# Altium PCB stereoscopicPi.PcbDoc
Units mm, origin at the board's own origin, x right, y up, seen from the top; angles counter-clockwise.
Board outline 100 x 55 mm, 2 copper layers (Top Layer, Bottom Layer); 41 components, 83 nets, 384 pads, 155 vias.
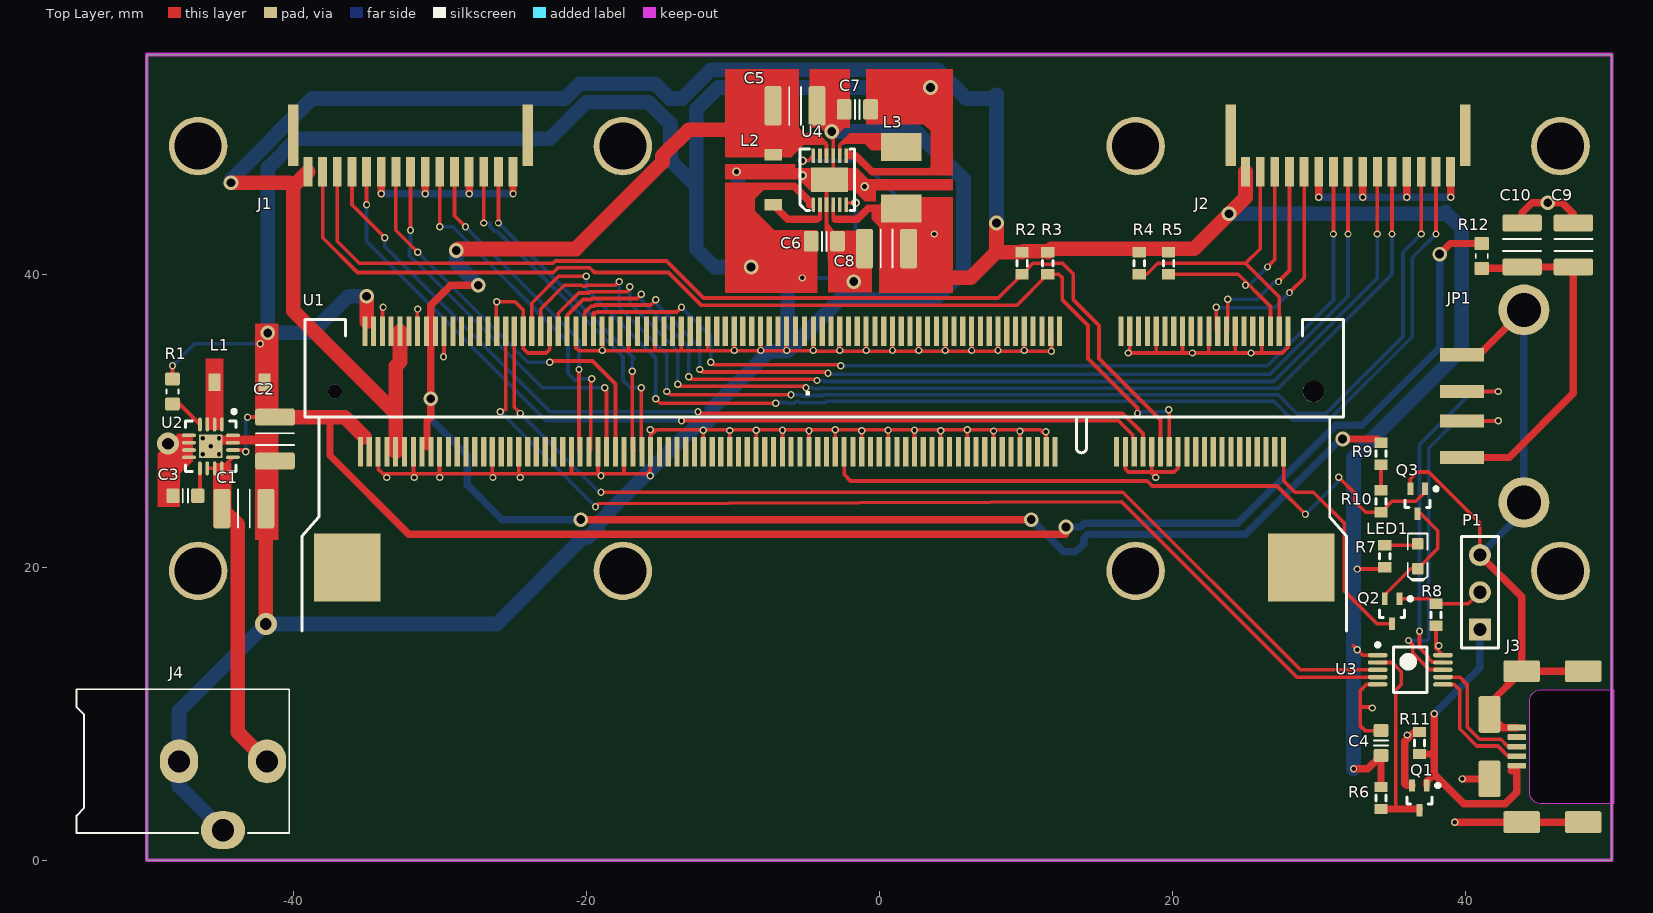
[diagram p0: Top Layer view]
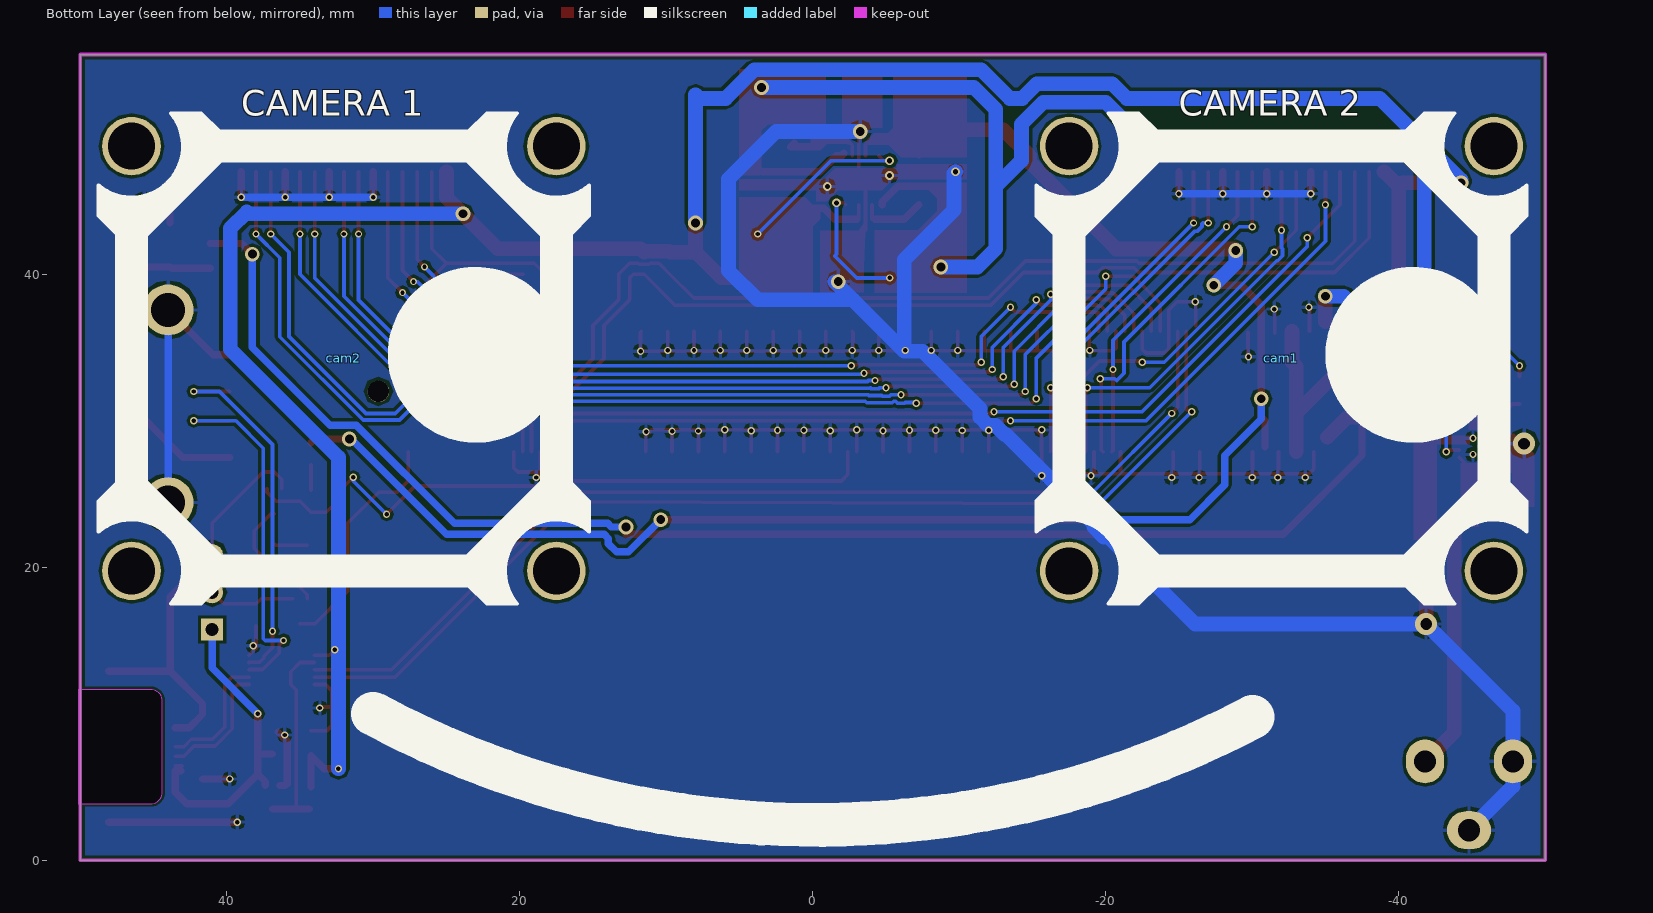
[diagram p1: Bottom Layer view, seen from below]

## Layer stack, top to bottom
Top Solder: solder mask 0.0102, Solder Resist, Dk 3.5
Top Layer: signal copper 0.0356
Dielectric1: dielectric 0.32, FR-4, Dk 4.8
Bottom Layer: signal copper 0.0356
Bottom Solder: solder mask 0.0102, Solder Resist, Dk 3.5

## Board outline
-50,0 -50,55 50,55 50,0

## Design rules (kind name [scope] priority, off if disabled: settings)
Clearance [All] p1: gap=0.2
FabricationTestPointUsage TestPointUsage [All] p1: valid=0 allowmultiple=FALSE
FabricationTestpoint Testpoint [All] p1: side=3 testpointundercomponent=TRUE minsize=1.016 maxsize=2.54 preferedsize=1.524 minholesize=0 maxholesize=1.016 preferedholesize=0.813 testpointgrid=0.025 allowsidetop=TRUE allowsidebottom=TRUE usegrid=TRUE gridtolerance=0
HoleSize [All] p1: absolutevalues=TRUE maxlimit=3.5 minlimit=0.025 maxpercent=80.000 minpercent=20.000
PolygonConnect [All] p1: connectstyle=Relief reliefconductorwidth=0.254 reliefentries=4 polygonreliefangle="90 Angle" airgapwidth=0.254
RoutingVias [All] p1: holewidth=0.8 width=1 viastyle="Through Hole" minholewidth=0.3 minwidth=0.5 maxholewidth=1 maxwidth=1.5
SilkToSolderMaskClearance SilkscreenOverComponentPads [IsPad] p1: minsilkscreentomaskgap=0.254 clearancetoexposedcopper=TRUE
SolderMaskExpansion [All] p1: expansion=0.102
Width [All] p1: maxlimit=1 minlimit=0.25 preferedwidth=0.25
26 further rules are at their usual default settings.

## Components (designator, comment, footprint, x,y, rotation, side; value= is the part's Value field where it differs from the comment)
C1 "10µ" CAPC3225X220N -43.375,24 r0 top
C2 "approved sub OK" CAPC3225X220N -41.25,28.75 r270 top
C3 "Kemet C0603C332J3RACTU" CAPC1608X90N -47.375,24.875 r180 top
C4 "" CAPC1608X90N 34.25,8 r270 top
C5 "10µ" CAPC3225X220N -5.75,51.5 r0 top
C6 "approved sub OK" CAPC2012X135N -3.75,42.25 r0 top
C7 "approved sub OK" CAPC2012X135N -1.5,51.25 r0 top
C8 "10µ" CAPC3225X220N 0.5,41.75 r180 top
C9 "47u" CAPC3225X220N 47.375,42 r90 top
C10 "47u" CAPC3225X220N 43.875,42 r90 top
cam1 "Comment" PI-CAM-LENS-MOUNT -32,34.25 r90 bottom
cam2 "Comment" PI-CAM-LENS-MOUNT 32,34.25 r90 bottom
J1 "Camera1" SFW15R-2STE1LF -32,47 r180 top
J2 "Camera2" SFW15R-2STE1LF 32,47 r180 top
J3 "uUSB B (SLAVE, USB BOOT)" USB_Micro-B_Molex_SMD 50,7.75 r180 top
J4 "CONN_PWR_JACK_2.1x5.5mm" CONN_PWR_JACK_2.1x5.5mm -55.5,6.75 r90 top
JP1 "USB A (HOST)" USB-A-S-NOSILK-FEMALE 44,31 r180 top
L1 "Inductor" IHLP-1212BZ-11 -45.375,32.625 r0 top
L2 "IHLP1212BZER2R2M11" IHLP-1212BZ-11 -7.25,44.75 r90 top
L3 "IHLP2020CZER4R7M11" IHLP-2020CZ-11 1.5,44.5 r90 top
LED1 "Green" LED-0603-GREEN 36.75,20.75 r270 top
P1 "Header 3" HDR1X3 41,15.75 r90 top
Q1 "DMG1012T-7" DMG1012T-7 36.875,4.25 r270 top
Q2 "DMG1012T-7" DMG1012T-7 35,17 r270 top
Q3 "DMG1012T-7" DMG1012T-7 36.75,24.5 r270 top
R1 "Thick Film" RESC1608X55N -48.25,32 r270 top
R2 "Res3" J1-0603 9.75,40.75 r90 top
R3 "Res3" J1-0603 11.5,40.75 r90 top
R4 "Res3" J1-0603 17.75,40.75 r90 top
R5 "Res3" J1-0603 19.75,40.75 r90 top
R6 "Res3" J1-0603 34.25,4.25 r90 top
R7 "Green" J1-0603 34.5,20.75 r90 top
R8 "Res3" J1-0603 38,16.75 r270 top
R9 "Res3" J1-0603 34.25,27.75 r90 top
R10 "Res3" J1-0603 34.25,24.5 r270 top
R11 "Res3" J1-0603 36.875,8 r90 top
R12 "Thick Film" RESC1608X55N 41.125,41.25 r270 top
U1 "Raspberry Pi Compute Module As anounced in this blog post  http://www.raspberrypi.org/raspberry-pi-compute-module-new-product/  Based on infomation from this schematic http://www.raspberrypi.org/wp-content/uploads/2014/04/RPI-CM-V1_1-SCHEMATIC.pdf  Footprint is unproven and no matching part confimed as of yet" 1-1376408-4 -4.75,32 r180 top locked
U2 "TPS62143RGTT" QFN50P300X300X100_HS-17M -45.625,28.25 r270 top
U3 "FSUSB42MUX" FSUSB42MUX 36.25,13 r0 top
U4 "PAM2306AYPKE" PAM2306 -4.5,44.75 r90 top

## Footprints (in the part's own frame and the unit in brackets; to place one, negate y for a bottom-side part, rotate by r counter-clockwise, add the part's x,y. Pads: shape width x height; smd on the part's side, far side on the other; paste and mask are expansions set on the pad)
1-1376408-4 [mil]
  round 58 hole 58: 1(-1354.33,0)
  round 38 hole 38: 1(1276,0)
  rect 14x79 smd: 1V8(1006,-161.42) 1V8(1018,162) 1V8(1030,-161.42) 1V8(1042,162) 2(-1273.62,162) 3(-1261.81,-161.42) 3V3(1101,-161.42) 3V3(1113,162) 3V3(1125,-161.42) 3V3(1136,162) 4(-1250,162) 5(-1238.19,-161.42) 6(-1226.38,162) 8(-1202.76,162) 9(-1190.94,-161.42) 10(-1179.13,162) 11(-1167.32,-161.42) 12(-1155.51,162) 14(-1131.89,162) 15(-1120.08,-161.42) 16(-1108.27,162) 17(-1096.46,-161.42) 18(-1084.65,162) 20(-1061.02,162) 21(-1049.21,-161.42) 22(-1037.4,162) 23(-1025.59,-161.42) 24(-1013.78,162) 27(-978.35,-161.42) 28(-966.54,162) 29(-954.72,-161.42) 30(-942.91,162) 33(-907.48,-161.42) 34(-895.67,162) 35(-883.86,-161.42) 36(-872.05,162) 39(-836.61,-161.42) 40(-824.8,162) 41(-671.26,-161.42) 42(-659.45,162) 45(-624.02,-161.42) 46(-612.2,162) 47(-600.39,-161.42) 48(-588.58,162) 51(-553.15,-161.42) 52(-541.34,162) 53(-529.53,-161.42) 54(-517.72,162) 57(-482.28,-161.42) 58(-470.47,162) 59(-458.66,-161.42) 60(-446.85,162) 63(-411.42,-161.42) 64(-399.61,162) 65(-387.8,-161.42) 66(-375.98,162) 69(-340.55,-161.42) 70(-328.74,162) 71(-316.93,-161.42) 72(-305.12,162) 75(-269.68,-161.42) 76(-257.87,162) 77(-246.06,-161.42) 78(-234.25,162) 81(-198.82,-161.42) 82(-187.01,162) 83(-175.2,-161.42) 84(-163.39,162) 87(-127.95,-161.42) 88(-116.14,162) 89(-104.33,-161.42) 90(-92.52,162) 93(-57.09,-161.42) 94(-45.28,162) 95(-33.46,-161.42) 96(-21.65,162) 99(14,-161.42) 100(26,162) 101(38,-161.42) 102(50,162) 105(85,-161.42) 106(97,162) 107(109,-161.42) 108(121,162) 111(156,-161.42) 112(168,162) 113(180,-161.42) 114(191,162) 117(227,-161.42) 118(239,162) 119(250,-161.42) 120(262,162) 123(298,-161.42) 124(310,162) 125(321,-161.42) 126(333,162) 128(357,162) 129(369,-161.42) 130(380,162) 131(392,-161.42) 132(404,162) 135(439,-161.42) 136(451,162) 137(463,-161.42) 138(475,162) 141(510,-161.42) 142(522,162) 143(534,-161.42) 144(546,162) 147(581,-161.42) 148(593,162) 149(605,-161.42) 150(617,162) 153(652,-161.42) 154(664,162) 155(676,-161.42) 156(688,162) 158(711,162) 159(723,-161.42) 160(735,162) 161(747,-161.42) 162(758,162) 165(794,-161.42) 166(806,162) 167(817,-161.42) 168(829,162) 171(865,-161.42) 172(876,162) 173(888,-161.42) 174(900,162) 175(912,-161.42) 176(924,162) 177(936,-161.42) 178(947,162) 179(959,-161.42) 180(971,162) GND(-1285.43,-161.42) GND(-1214.57,-161.42) GND(-1143.7,-161.42) GND(-1072.83,-161.42) GND(-1001.97,-161.42) GND(-990.16,162) GND(-931.1,-161.42) GND(-919.29,162) GND(-860.24,-161.42) GND(-848.43,162) GND(-647.64,-161.42) GND(-635.83,162) GND(-576.77,-161.42) GND(-564.96,162) GND(-505.91,-161.42) GND(-494.09,162) GND(-435.04,-161.42) GND(-423.23,162) GND(-364.17,-161.42) GND(-352.36,162) GND(-293.31,-161.42) GND(-281.5,162) GND(-222.44,-161.42) GND(-210.63,162) GND(-151.57,-161.42) GND(-139.76,162) GND(-80.71,-161.42) GND(-68.9,162) GND(-9.84,-161.42) GND(2,162) GND(62,-161.42) GND(73,162) GND(132,-161.42) GND(144,162) GND(203,-161.42) GND(215,162) GND(274,-161.42) GND(286,162) GND(345,-161.42) GND(416,-161.42) GND(428,162) GND(487,-161.42) GND(499,162) GND(558,-161.42) GND(569,162) GND(628,-161.42) GND(640,162) GND(699,-161.42) GND(770,-161.42) GND(782,162) GND(841,-161.42) GND(853,162) GND(983,-161.42) GND(995,162) GND(1054,-161.42) GND(1065,162) GND(1148,-161.42) GND(1160,162) VBAT(1172,-161.42) VBAT(1184,162) VBAT(1195,-161.42) VBAT(1207,162) VDAC(1077,-161.42) VDAC(1089,162)
  rect 178x182 smd: M1(-1320.87,473) M2(1243,473)
  silkscreen extent -1443,-193 1365,644, body extent -1447,-184 1367,585, height 372
CAPC1608X90N [mm] "Chip Capacitor, Body 1.6x0.8mm, EIA 0603, IPC Medium Density"
  round 0.254 on Mech15: 0(0,0)
  rrect25% 0.9x1 smd: 1(-0.85,0) 2(0.85,0)
  Top Layer pour cut-out: -0.6,0.5 -0.4,0.7 0.4,0.7 0.6,0.5 0.6,-0.5 0.4,-0.7 -0.4,-0.7 -0.6,-0.5
  silkscreen extent -0.18,-0.48 0.18,0.48, body extent -0.85,-0.45 0.85,0.45, height 0.89
CAPC2012X135N [mm] "Chip Capacitor, Body 2.0x1.2mm, EIA 0805, IPC Medium Density"
  round 0.254 on Mech15: 0(0,0)
  rrect25% 1x1.4 smd: 1(-0.9,0) 2(0.9,0)
  Top Layer pour cut-out: -0.675,0.7 -0.475,0.9 0.475,0.9 0.675,0.7 0.675,-0.7 0.475,-0.9 -0.475,-0.9 -0.675,-0.7
  silkscreen extent -0.15,-0.65 0.15,0.65, body extent -1.1,-0.72 1.1,0.73, height 1.34
CAPC3225X220N [mm] "Chip Capacitor, Body 3.2x2.5mm, EIA 1210, IPC Medium Density"
  round 0.508 on Mech15: 0(0,0)
  rrect25% 1.15x2.7 smd: 1(-1.5,0) 2(1.5,0)
  silkscreen extent -0.4,-1.3 0.4,1.3, body extent -1.8,-1.4 1.8,1.4, height 2.19
CONN_PWR_JACK_2.1x5.5mm [mm] "Power Connector, 2.1mm ID, 5.5mm OD"
  oval 3x2.6 hole 1.511: 1(0,-13.7) 2(0,-7.7)
  oval 2.6x3 hole 1.511: 3(-4.7,-10.7)
  silkscreen extent -4.9,-15.22 4.92,-0.7, body extent -4.9,-14.1 4.5,0, height 11
DMG1012T-7 [mm] "SOT23, 3-Leads, Body 1.60x1.60mm, Pitch 0.50mm, IPC Medium Density"
  rect 0.85x0.4 smd: D(0.85,0) G(-0.85,0.5) S(-0.85,-0.5)
  silkscreen extent -0.97,-0.85 0.43,1.38, body extent -0.43,-0.85 0.43,0.85, height 0.9
FSUSB42MUX [mm] "TSSOP, 10-Leads, Body 3.00x3.00mm, Pitch 0.50mm, IPC Medium Density"
  oval 1.35x0.3 smd: 1(-2.225,1) 2(-2.225,0.5) 3(-2.225,0) 4(-2.225,-0.5) 5(-2.225,-1) 6(2.225,-1) 7(2.225,-0.5) 8(2.225,0) 9(2.225,0.5) 10(2.225,1)
  silkscreen extent -2.35,-1.55 1.15,1.82, body extent -1.55,-1.55 1.55,1.55, height 1.1
HDR1X3 [mm] "Connector; Header; 3 Position"
  rect 1.5x1.5 hole 0.9: 1(0,0)
  round 1.5 hole 0.9: 2(2.54,0) 3(5.08,0)
  silkscreen extent -1.27,-1.27 6.35,1.27
IHLP-1212BZ-11 [mm]
  rect 0.8x1.2 smd: 0(0,0) 1(3.4,0)
  body extent -0.1,-1.5 3.55,1.5, height 2
IHLP-2020CZ-11 [mm]
  rect 1.91x2.79 smd: 0(0,0) 1(4.2,0)
  body extent -0.75,-2.85 4.95,2.85, height 3
J1-0603 [mm] "Chip Resistor, Body 1.6x0.8mm, IPC High Density"
  rect 0.7x0.9 smd: 1(-0.75,0) 2(0.75,0)
  silkscreen extent -0.2,-0.35 0.2,0.35, body extent -0.85,-0.48 0.85,0.48, height 0.9
LED-0603-GREEN [mm]
  round 0.254 on Mech15: 0(0,0)
  rrect25% 0.8x0.8 smd: A(-0.85,0) K(0.85,0)
  Top Layer pour cut-out: -0.5,0.5 0.5,0.5 0.5,-0.5 -0.5,-0.5
  silkscreen extent -1.55,-0.67 1.68,0.67, body extent -0.8,-0.4 0.8,0.4, height 0.75
PAM2306 [mm]
  oval 1x0.25 smd: 1(0,0)
  rect 1x0.25 smd: 2(0,-0.45) 3(0,-0.9) 4(0,-1.35) 5(0,-1.8) 6(0,-2.25) 7(3.35,-2.25) 8(3.35,-1.8) 9(3.35,-1.35) 10(3.35,-0.9) 11(3.35,-0.45) 12(3.35,0)
  rect 1.7x2.5 smd: 3(1.7,-1.1)
  silkscreen extent -0.4,-2.8 3.8,0.9, body extent -0.3,-2.6 3.7,0.5, height 0.8
PI-CAM-LENS-MOUNT [mm]
  round 4 hole 3.2: M3(-14.5,-14.5) M3(-14.5,14.5) M3(14.5,-14.5) M3(14.5,14.5)
  silkscreen extent -16.75,-16.75 16.75,16.75, body extent -15,14 -14,15, height 0.5
QFN50P300X300X100_HS-17M [mm] "QFN, 16-Leads, Body 3.00x3.00mm, Pitch 0.50mm, Thermal Pad 1.70x1.70mm, IPC Low Density"
  oval 0.95x0.25 smd: 1(-1.5,0.75) 1(-1.5,-0.25) 1(-1.5,0.25) 4(-1.5,-0.75) 9(1.5,-0.75) 10(1.5,-0.25) 11(1.5,0.75) 11(1.5,0.25)
  oval 0.25x0.95 smd: 5(-0.75,-1.5) 6(-0.25,-1.5) 7(0.25,-1.5) 8(0.75,-1.5) 13(0.75,1.5) 14(0.25,1.5) 15(-0.75,1.5) 15(-0.25,1.5)
  rect 1.6x1.6 smd: 15(0,0)
  silkscreen extent -2.5,-1.73 1.73,1.73, body extent -1.58,-1.58 1.58,1.58, height 1
RESC1608X55N [mm] "Chip Resistor, Body 1.6x0.8mm, EIA 0603, IPC Medium Density"
  round 0.254 on Mech15: 0(0,0)
  rrect25% 0.9x1 smd: 1(-0.85,0) 2(0.85,0)
  Top Layer pour cut-out: -0.6,0.5 -0.4,0.7 0.4,0.7 0.6,0.5 0.6,-0.5 0.4,-0.7 -0.4,-0.7 -0.6,-0.5
  silkscreen extent -0.15,-0.41 0.15,0.41, body extent -0.87,-0.47 0.88,0.48, height 0.54
SFW15R-2STE1LF [mm]
  rect 0.6x2 smd: 1(-7,0) 2(-6,0) 3(-5,0) 4(-4,0) 5(-3,0) 6(-2,0) 7(-1,0) 8(0,0) 9(1,0) 10(2,0) 11(3,0) 12(4,0) 13(5,0) 14(6,0) 15(7,0)
  rect 0.7x4.2 smd: ""(-8,-2.5) ""(8,-2.5)
  body extent -10.5,-6.5 10.5,0, height 2.7
USB-A-S-NOSILK-FEMALE [mil]
  rect 119x36 smd: D+(166,-39.37) D-(166,40) GND(166,-137.8) VBUS(166,138)
  round 136.5 hole 91: S1(0,-258.5) S2(0,259)
USB_Micro-B_Molex_SMD [mm]
  round 0.508 on Mech15: 0(0,0)
  rrect20% 1.25x0.4 smd: 1(6.475,1.3) 2(6.475,0.65) 3(6.475,0) 4(6.475,-0.65) 5(6.475,-1.3)
  rrect20% 2.5x1.5 smd: SH(1.95,5.15) SH(1.95,-5.15) SH(6.15,5.15) SH(6.15,-5.15)
  rrect20% 1.5x2.5 smd: SH(8.35,-2.2) SH(8.35,2.2)
  Keep-Out Layer board cut-out: -0.127,3.9 4.8,3.9 5.106,3.839 5.366,3.666 5.539,3.406 5.6,3.1 5.6,3.1 5.6,-3.1 5.539,-3.406 5.366,-3.666 5.106,-3.839 4.8,-3.9 4.8,-3.9 -0.127,-3.9
  body extent -21.01,-5.5 8.7,5.5, height 4.1

## Part data
C1 C5 C8: library part CAPC_10u_1210_50V, "Capacitor SMD Cer 10uF 20% 16V X5R 1210"
C2: library part CAPC_22u_1210_6V3_X5R, "Capacitor SMD Cer 22uF 20% 6.3V X5R 1210"
C3 C4: library part CAPC_10n_0603_X7R_50V_10%, "Capacitor SMD Cer 10nF 10% 50V X7R 0603"
C6 C7: library part CAPC_4u7_0805, "Capacitor SMD Cer 4.7uF 10% 16V X5R 0805"
C9 C10: library part CAPC_47u_1210_10V_X5R_10%, "Capacitor SMD Cer 47uF 10% 10V 1210"
J1 J2: library part SFW15R-2STE1LF
J3: library part USB_Micro_TypeB, "Connector SMD USB Micro Type B middle mount"
J4: "Power Connector, THT, 2.1mm ID, 5.5mm OD"
JP1: library part USB-A-SMD
L2 L3: library part Inductor, "Inductor"
LED1: library part LED_SMD_Green_0603_570nm, "LED 0603 SMD Green 570nm 50mcd 20mA"
P1: "Header, 3-Pin"
R1 R12: library part RES_100K_0603_1%, "Resistor SMD chip 100k Ohm 0.1W 1% 0603"
R2 R3 R4 R5 R6 R8 R9 R10 R11: "Resistor"
R7: library part Res3, "Resistor"
U1: library part RASPBERRY_PI_CM-1-1376408-4
U2: library part "TPS62143 5V 2A LDO SMPS Buck"
U4: library part PAM2306

## Via types
v1: diameter 0.5, hole 0.3, Top Layer to Bottom Layer, 130 vias
v2: diameter 1, hole 0.6, Top Layer to Bottom Layer, 18 vias
v3: diameter 0.6, hole 0.35, Top Layer to Bottom Layer, 5 vias
v4: diameter 1.5, hole 0.8, Top Layer to Bottom Layer, 2 vias

## Nets (pads, with @x,y where several pads share a name; then routed paths per layer and width w, separated by ;. In a path a pad name is that pad's centre, name@x,y a point inside that pad or via, vN(x,y) a via of type N, cw(c..) or ccw(c..) an arc to the next point about the centre after c; other vN are vias at no path point)
1V8: C5.1 L2.1 R9.2 U1.1V8 U4.10 | length 117.5
  Top Layer w0.25: U4.10 -3.6,48.85
  Top Layer w0.5: -30.875,28.227 -30.875,30 -30.625,30.25 v2(-30.625,31.5) -30.625,37.875 -29.25,39.25 v2(-27.375,39.25) ; v2(-20.375,23.25) v2(10.375,23.25) ; L2.1 C5.1 ; v2(31.625,28.75) 34,28.75 R9.2
  Top Layer w1: v2(-28.875,41.625) -28.775,41.725 -20.706,41.725 -14.8,47.632 -14.8,48.075 -13,49.875 -10.125,49.875
  Bottom Layer w0.5: v2(-30.625,31.5) -30.625,30.125 -28.125,27.625 -28.125,25.625 -25.75,23.25 v2(-20.375,23.25) ; v2(10.375,23.25) 12.575,21.05 13.394,21.05 13.95,21.606 13.95,21.96 14.24,22.25 25,22.25 v2@31.375,28.625
  Bottom Layer w1: v2(-28.875,41.625) -28.875,40.75 v2(-27.375,39.25)
3V3: C4.2 C8.1 J1.15 J2.15 L3.0 R2.2 R3.2 R4.2 R5.2 R6.2 R7.1 U1.3V3 U1.VDAC U3.1 U4.4 U4.12 | length 208.3
  Top Layer w0.25: v3(-5.25,47.75) -4.85,47.75 U4.12 ; -3.15,43.9 U4.4 ; 32.375,14.625 33,14 U3.1 ; v1(32.625,19.875) 34.375,19.875 R7.1
  Top Layer w0.5: -3,43.75 -1.5,43.75 -0.75,44.5 L3.0 ; v1(32.375,6.25) 33.35,6.25 C4.2 R6.2
  Top Layer w1: v2(-44.25,46.25) -40.25,46.25 -40,46 ; J1.15 -40,46 ; U1.3V3@-33.02,27.885 -33.02,30.52 ; U1.3V3@-32.715,36.1 -32.715,34.035 -33.02,33.73 -33.02,30.52 ; 3.5,39.75 6.25,39.75 8,41.5 ; v2(8,43.5) 8,41.5 ; J2.15 25,45.25 21.5,41.75 11.75,41.75 R3.2 11.425,41.575 9.825,41.575 R2.2 8,41.5 ; -40,46 -40,37.5 -33.02,30.52
  Bottom Layer w0.25: v3(-5.25,47.75) -1.25,47.75 v1(3.75,42.75)
  Bottom Layer w1: v2(-44.25,46.25) -44.25,46.447 -38.697,52 -21.447,52 -20.447,53 -15.303,53 -14.303,52 -13.447,52 -11.497,53.95 3.997,53.95 5.947,52 7.75,52 8,52.25 v2(8,43.5) ; v2(23.875,44.125) 38.5,44.125 38.625,44.25 39.75,43.125 39.75,34.875 32.375,27.5 v1(32.375,6.25)
  other v1: 32.625,14.375
5V: C2.1 C6.1 C7.2 L1.1 R1.1 R12.1 U1.VBAT U2.14 U4.1 U4.6 U4.7 | length 235.1
  Top Layer w0.25: U4.6 -2.125,44.875 v3(-1.625,44.875)
  Top Layer w0.254: R1.1@-48.25,33 v1(-48.25,33.75) ; U2.14 -43.125,28 v1(-43.25,27.875) ; v1(-43.125,30.25) C2.1@-41.5,30.25
  Top Layer w0.5: -37.5,30.25 -37.5,27.625 -32.125,22.25 12.75,22.25 v2(12.75,22.75) ; -4.75,44.75 -4.75,44.95 -5.8,46 -8,46 -8.75,45.25 -8.75,44.25 -6.75,42.25 C6.1 ; -2.125,48.25 -1.975,48.1 -1.6,48.1 -0.5,47 3.5,47 3.75,47.25 3.75,50.5 3,51.25 C7.2 ; v2(38.25,41.375) 38.975,42.1 R12.1
  Top Layer w1: C2.1 -37.5,30.25 -36.5,30.25 -35.135,28.885 ; U1.VBAT@-35,36.75 v2(-35,38.5)
  Bottom Layer w0.25: v1(-5.25,39.75) -3,39.75 -1.5,41.25 -1.625,41.375 v3(-1.625,44.875)
  Bottom Layer w0.254: v1(-48.25,33.75) -46.75,35.25 v1(-42.25,35.25) ; v1(-43.25,27.875) -43.25,30.125 v1(-43.125,30.25)
  Bottom Layer w0.5: v2(12.75,22.75) 13.75,22.75 14,23 24.45,23 31.15,29.7 32.95,29.7 38.25,35 v2(38.25,41.375)
  Bottom Layer w1: v2(-35,38.5) -36.25,38.5 -38.75,36 v2(-41.75,36) -41.75,47.25 -39.75,49.25 -22.5,49.25 -20,51.75 -15.75,51.75 -14.25,50.25 -14.25,47.75 -12.5,46 ; v2(-8.75,40.5) -11.25,40.5 -12.5,41.75 -12.5,46 ; v2(3.5,52.75) -11,52.75 -12.5,51.25 -12.5,46
CAM0_CN: J1.8 U1.144 | length 27.2
  Top Layer w0.25: v1(-32,43) J1.8 ; v1(-18.75,32.25) -18.618,32.118 U1.144
  Bottom Layer w0.25: v1(-32,43) -32,41.813 -32.075,41.738 -32.075,41.262 -31.738,40.925 -31.675,40.925 -23,32.25 v1(-18.75,32.25)
CAM0_CP: J1.9 U1.142 | length 28
  Top Layer w0.25: J1.9 -33,43 v1(-31.5,41.5) ; v1(-22.5,34) -22.425,34.075 -19.575,34.075 -18.009,32.509 U1.142
  Bottom Layer w0.25: v1(-31.5,41.5) -24,34 v1(-22.5,34)
CAM0_DN0: J1.2 U1.138 | length 23.1
  Top Layer w0.25: v1(-26,43.5) J1.2 ; v1(-16.875,33.375) -16.875,28.075 -16.75,27.95 U1.138
  Bottom Layer w0.25: v1(-26,43.5) -16.75,34.25 -16.875,34.125 v1(-16.875,33.375)
CAM0_DN1: J1.5 U1.150 | length 22.7
  Top Layer w0.25: J1.5 -29,44 v1(-28.25,43.25) ; v1(-20.5,33.5) -20.5,27.963 U1.150
  Bottom Layer w0.25: v1(-28.25,43.25) -20.5,35.5 v1(-20.5,33.5)
CAM0_DP0: J1.3 U1.136 | length 24.3
  Top Layer w0.25: v1(-27,43.5) J1.3 ; v1(-16.25,32.25) -16.25,27.93 U1.136
  Bottom Layer w0.25: v1(-27,43.5) -26.625,43.5 -26.575,43.45 -26.575,43.262 -26.238,42.925 -26.061,42.925 -17.5,34.364 -17.5,32.75 -17,32.25 v1(-16.25,32.25)
CAM0_DP1: J1.6 U1.148 | length 24.8
  Top Layer w0.25: v1(-30,43.25) J1.6 ; U1.148 -19.705,27.992 -19.705,32.795 v1(-19.625,32.875)
  Bottom Layer w0.25: v1(-30,43.25) -29.125,43.25 -21.25,35.375 -21.25,33.25 -20.75,32.75 -20.625,32.875 v1(-19.625,32.875)
CAM0_IO0: J1.11 U1.36 | length 63.6
  Top Layer w0.25: v1@-35,44.828 J1.11 ; v1(-13.5,30) 16.326,30 17.303,29.023 17.303,28.697 17.4,28.6 U1.36
  Bottom Layer w0.25: v1(-35,44.75) -35,42.25 -22.75,30 v1(-13.5,30)
CAM0_IO1: J1.12 U1.34 | length 64.3
  Top Layer w0.25: J1.12 -36,44.75 v1(-33.75,42.5) ; v1(-12.375,30.625) -12.25,30.5 16.625,30.5 18,29.125 U1.34
  Bottom Layer w0.25: v1(-33.75,42.5) -33.75,41.875 -22.5,30.625 v1(-12.375,30.625)
CAM1_CN: J2.8 U1.149 | length 67.6
  Top Layer w0.25: U1.149 -20.117,37.383 -19.675,37.825 -19.475,37.825 -19.4,37.9 -15.6,37.9 v1(-15.25,38.25) ; v1(-12.25,33.5) -12.075,33.325 -3.575,33.325 v1(-3.5,33.25) ; v1(32,42.75) J2.8
  Bottom Layer w0.25: v1(-15.25,38.25) -15.25,38 -12.25,35 v1(-12.25,33.5) ; v1(-3.5,33.25) -3.425,33.175 26.675,33.175 32,38.5 v1(32,42.75)
CAM1_CP: J2.9 U1.147 | length 65.2
  Top Layer w0.25: U1.147 -19.507,37.356 -19.489,37.375 -19.289,37.375 -19.236,37.428 -13.822,37.428 v1(-13.5,37.75) ; v1(-11.5,34) -11.325,33.825 -2.7,33.825 v1(-2.625,33.75) ; v1(31,42.75) J2.9
  Bottom Layer w0.25: v1(-13.5,37.75) -11.5,35.75 v1(-11.5,34) ; v1(-2.625,33.75) 26.505,33.75 31,38.245 v1(31,42.75)
CAM1_DN0: J2.2 U1.161 | length 83.5
  Top Layer w0.25: U1.161 -23.724,38.026 -21.875,39.875 v1(-20,39.875) ; v1(-15.25,31.5) -14.95,31.2 v1(-7.075,31.2) ; v1(38,42.75) J2.2
  Bottom Layer w0.25: v1(-20,39.875) -20,39 -15.25,34.25 v1(-15.25,31.5) ; v1(-7.075,31.2) -7.026,31.25 -6.313,31.25 -6.263,31.2 -5.787,31.2 -5.662,31.325 -5.525,31.325 -5.425,31.225 -3.689,31.225 -3.589,31.325 26.925,31.325 28.2,30.05 30.686,30.05 36.375,35.739 36.375,41.125 v1(38,42.75)
CAM1_DN1: J2.5 U1.155 | length 74.1
  Top Layer w0.25: U1.155 -21.92,37.33 -20.525,38.725 -19.848,38.725 -19.773,38.8 -17.2,38.8 -17.026,38.974 v1(-17.026,39.151) ; v1(-13.75,32.5) -13.6,32.35 -5.1,32.35 v1(-5,32.25) ; v1(35,42.75) J2.5
  Bottom Layer w0.25: v1(-17.026,39.151) -17.026,38.026 -13.75,34.75 v1(-13.75,32.5) ; v1(-5,32.25) -4.563,32.25 -4.488,32.175 -4.012,32.175 -3.943,32.244 -3.925,32.225 27.225,32.225 35,40 v1(35,42.75)
CAM1_DP0: J2.3 U1.159 | length 81.5
  Top Layer w0.25: U1.159 -23.114,37.636 -21.5,39.25 -20.313,39.25 -20.238,39.175 -20.034,39.175 -19.959,39.25 -18,39.25 v1(-17.75,39.5) ; v1(-14.5,32) -14.275,31.775 v1(-6.025,31.775) ; v1(37,42.75) J2.3
  Bottom Layer w0.25: v1(-17.75,39.5) -17.75,37.75 -14.5,34.5 v1(-14.5,32) ; v1(-6.025,31.775) -5.338,31.775 -5.238,31.675 -4.762,31.675 -4.693,31.744 -4.675,31.725 -3.825,31.725 -3.776,31.775 27.225,31.775 28.5,30.5 30.5,30.5 35.75,35.75 35.75,41.5 v1(37,42.75)
CAM1_DP1: J2.6 U1.153 | length 71
  Top Layer w0.25: U1.153 -21.311,37.189 -20.225,38.275 -19.662,38.275 -19.587,38.35 -16.525,38.35 v1(-16.25,38.625) ; v1(-13,33) -12.825,32.825 -4.325,32.825 v1(-4.25,32.75) ; v1(34,42.75) J2.6
  Bottom Layer w0.25: v1(-16.25,38.625) -16.25,38.25 -13,35 v1(-13,33) ; v1(-4.25,32.75) -3.813,32.75 -3.738,32.675 26.925,32.675 34,39.75 v1(34,42.75)
CAM1_IO0: J2.11 U1.17 | length 15.8
  Top Layer w0.25: v1(23,37.75) 23,37.241 23.003,37.238 23.003,36.197 U1.17 ; v1(28,38.75) 29,39.75 J2.11
  Bottom Layer w0.25: v1(23,37.75) 23.028,37.722 26.972,37.722 v1(28,38.75)
CAM1_IO1: J2.12 U1.15 | length 14
  Top Layer w0.25: U1.15 23.797,36.197 v1(23.797,38.297) ; v1(27.25,39.5) 28,40.25 J2.12
  Bottom Layer w0.25: v1(23.797,38.297) 25.703,38.297 25.75,38.25 27,39.5 v1(27.25,39.5)
CD0_SCL: J1.13 R2.1 U1.30 | length 72.7
  Top Layer w0.25: J1.13 -37,42.25 -35.5,40.75 -22.273,40.75 -22.122,40.9 -14.525,40.9 -12,38.375 8.125,38.375 R2.1 10.5,40.75 11.083,40.75 11.158,40.675 11.842,40.675 11.917,40.75 12.5,40.75 13.25,40 13.25,38.25 15,36.5 15,34.25 19.2,30.05 U1.30
CD0_SDA: J1.14 R3.1 U1.28 | length 74.7
  Top Layer w0.25: J1.14 -38,42.5 -35.625,40.125 -22.261,40.125 -21.936,40.45 -19.762,40.45 -19.437,40.125 -14.386,40.125 -12.136,37.875 9.375,37.875 R3.1 12.25,40 12.5,39.75 12.5,38.25 14.25,36.5 14.25,34.25 17.625,30.875 v1(17.625,30.5) ; v1(19.75,30.75) 19.8,30.7 U1.28
  Bottom Layer w0.25: v1(17.625,30.5) 17.625,30.625 19.625,30.625 v1(19.75,30.75)
CD1_SCL: J2.13 R5.1 U1.5 | length 18.3
  Top Layer w0.25: R5.1 24.5,40 26.7,37.8 U1.5 ; v1(26.5,40.5) 27,41 J2.13
  Bottom Layer w0.25: v1(25,39.25) 25.25,39.25 v1(26.5,40.5)
CD1_SDA: J2.14 R4.1 U1.3 | length 19.8
  Top Layer w0.25: R4.1 18.25,40 19,40.75 25,40.75 ; J2.14 26,41.75 25,40.75 ; U1.3 27.3,38.45 25,40.75
EMMC_DISABLE_N: Q2.D U1.2 | length 16.1
  Top Layer w0.25: U1.2 27.6,25.9 28.375,25.125 29.625,25.125 31.75,23 31.75,18.375 33.975,16.15 Q2.D
GND: C1.2 C2.2 C3.2 C4.1 C5.2 C6.2 C7.1 C8.2 C9.2 C10.2 J1.1 J1.4 J1.7 J1.10 J2.1 J2.4 J2.7 J2.10 J3.5 J3.SH J4.2 J4.3 JP1.GND JP1.S1 JP1.S2 P1.3 Q1.S Q3.S R8.2 R11.2 U1.GND U2.5 U2.6 U2.7 U2.8 U2.15 U3.5 U3.10 U4.3 U4.9 | length 419.1
  Top Layer w0.25: U1.GND@-34.214,27.885 -34.214,26.714 -33.875,26.375 -15.875,26.375 -15.625,26.625 -15.625,27.881 -15.621,27.885 -15.621,29.004 -15.25,29.375 11,29.375 11.4,28.975 U1.GND@11.4,27.885 ; U1.GND@-33.909,36.1 v1@-33.909,37.591 ; -31.801,26.449 U1.GND@-31.801,27.885 ; U1.GND@-31.534,35.975 v1@-31.534,37.466 ; -30.023,26.398 U1.GND@-30.023,27.885 ; v1@-29.716,34.534 U1.GND@-29.716,36.025 ; -26.416,26.459 U1.GND@-26.416,27.885 ; U1.GND@-26.159,36.475 v1@-26.159,37.966 ; v1(-26.125,38.125) -24.875,38.125 -24.308,37.558 -24.308,36.1 -24.308,34.933 -24,34.625 -22.75,34.625 -22.505,34.87 U1.GND@-22.505,36.1 ; -24.613,26.387 U1.GND@-24.613,27.885 ; -21.006,26.381 U1.GND@-21.006,27.885 ; U1.GND@-20.701,36.1 -20.701,34.969 -20.504,34.772 v1@-18.786,34.772 ; -19.203,26.422 U1.GND@-19.203,27.885 ; U1.GND@-18.889,36.125 -18.889,34.875 v1@-18.786,34.772 ; -17.425,26.425 U1.GND@-17.425,27.885 ; U1.GND@-17.12,36.1 -17.12,34.772 ; U1.GND@-15.316,36.1 -15.316,34.772 ; U1.GND@-13.513,36.1 -13.513,34.772 ; U1.GND@-12.014,27.885 v1(-12.014,29.361) ; U1.GND@-11.71,36.1 -11.71,34.79 -11.728,34.772 ; U1.GND@-10.211,27.885 v1(-10.211,29.336) ; U1.GND@-9.906,36.1 v1@-9.906,34.772 ; U1.GND@-8.408,27.885 v1(-8.408,29.342) ; U1.GND@-8.103,36.1 -8.103,34.828 v1@-8.047,34.772 ; U1.GND@-6.604,27.885 v1(-6.604,29.354) ; U1.GND@-6.325,36.1 -6.375,36.05 v1@-6.375,34.772 ; U1.GND@-4.801,27.885 v1(-4.801,29.324) ; U1.GND@-4.5,36.1 v1(-4.5,34.8) ; C5.2 -3.15,50.4 ; U4.3@-3.6,46.25 -3.6,44.75 -3.6,43 C6.2 ; U4.3@-3.15,46.7 U4.9 -3.15,50.4 ; U1.GND@-3,27.885 v1(-3,29.375) ; U1.GND@-2.7,36.1 -2.75,36.05 v1@-2.75,34.75 ; C7.1@-2.4,51.15 -3.15,50.4 ; U1.GND@-1.2,27.885 v1(-1.2,29.325) ; U1.GND@-0.9,36.1 v1@-0.9,34.75 ; U1.GND@0.6,27.885 v1(0.6,29.35) ; U1.GND@0.9,36.1 0.875,36.075 v1@0.875,34.75 ; U1.GND@2.4,27.885 v1(2.4,29.35) ; U1.GND@2.7,36.1 v1@2.7,34.75 ; U1.GND@4.2,27.885 v1(4.2,29.325) ; U1.GND@4.5,36.1 v1@4.5,34.75 ; U1.GND@6,27.885 v1(6,29.375) ; U1.GND@6.3,36.1 v1@6.3,34.75 ; U1.GND@7.8,27.885 v1(7.8,29.3) ; U1.GND@8.1,36.1 v1@8.1,34.75 ; U1.GND@9.6,27.885 v1(9.6,29.275) ; U1.GND@9.9,36.1 9.9,34.9 v1@9.75,34.75 ; U1.GND@11.7,36.1 11.75,36.05 v1(11.75,34.75) v1@9.75,34.75 ; U1.GND@16.8,27.885 16.8,26.7 17,26.5 18.6,26.5 ; U1.GND@17.1,36.1 17.1,34.775 17.25,34.625 27.5,34.625 27.9,35.025 U1.GND@27.9,36.1 ; U1.GND@18.6,27.885 18.6,26.5 ; v1(18.875,26.125) 18.6,26.4 18.6,26.5 ; 18.9,34.65 U1.GND@18.9,36.1 ; U1.GND@20.4,27.885 20.4,26.775 20.125,26.5 18.6,26.5 ; 20.7,34.675 U1.GND@20.7,36.1 ; 22.5,34.625 U1.GND@22.5,36.1 ; 24.3,34.7 U1.GND@24.3,36.1 ; 26.1,34.65 U1.GND@26.1,36.1 ; v1(33.64,10.393) 33.579,10.455 32.841,10.455 ; U3.5 33.25,12 32.841,11.591 32.841,10.455 ; C4.1 33.15,8.85 32.841,9.159 32.841,10.455 ; Q3.S 36.25,26 36.75,26.5 37.5,26.5 41,23 P1.3 ; R8.2 38,14.475 U3.10 ; v1@-18.786,34.772 -17.12,34.772 ; -17.12,34.772 -15.316,34.772 ; -15.316,34.772 -13.513,34.772 ; -13.513,34.772 -11.728,34.772 ; -11.728,34.772 v1@-9.906,34.772 ; v1@-9.906,34.772 v1@-8.047,34.772 ; v1@-8.047,34.772 v1@-6.375,34.772 ; v1@-6.375,34.772 -4.528,34.772 v1(-4.5,34.8) ; v1(-4.5,34.8) -4.5,34.75 v1@-2.75,34.75 ; v1@-2.75,34.75 v1@-0.9,34.75 ; v1@-0.9,34.75 v1@0.875,34.75 ; v1@0.875,34.75 v1@2.7,34.75 ; v1@2.7,34.75 v1@4.5,34.75 ; v1@4.5,34.75 v1@6.3,34.75 ; v1@6.3,34.75 v1@8.1,34.75 ; v1@8.1,34.75 v1@9.75,34.75
  Top Layer w0.5: v1(-34,45.5) J1.10 ; v1(-31,45.5) J1.7 ; v1(-28,45.5) J1.4 ; v1(-25,45.5) J1.1 ; v1(30,45.25) J2.10 ; v1(33,45.25) J2.7 ; v1(36,45.25) J2.4 ; Q1.S 36,5.1 35.875,5.225 35.875,8.125 R11.2@36.5,8.75 ; v1(39,45.25) J2.1 ; v1(39.275,2.6) 43.85,2.6 J3.SH@48.05,2.6 ; JP1.GND 40.934,34.5 JP1.S1 ; v1(39.8,5.55) J3.SH@41.65,5.55 ; P1.3 43.85,17.98 J3.SH@43.85,12.9 ; J3.5 42.55,9.05 41.65,9.95 41.65,10.7 J3.SH@43.85,12.9 ; C10.2 43.875,44.2 44.55,44.875 v2(45.625,44.875) 46.625,44.875 47.375,44.125 C9.2 ; J3.SH@48.05,12.9 J3.SH@43.85,12.9
  Top Layer w1: v4(-41.875,16.125) C1.2
  Bottom Layer w0.5: v1(-34,45.5) v1(-31,45.5) v1(-28,45.5) v1(-25,45.5) ; v1(30,45.25) v1(33,45.25) v1(36,45.25) v1(39,45.25) ; P1.3 44,23.83 JP1.S2 JP1.S1
  Bottom Layer w1: J4.3 -47.8,5.05 J4.2 -47.8,10.2 v4(-41.875,16.125) -26.125,16.125 -20.2,22.05 -19.878,22.05 -19.175,22.753 -19.175,23.075 -19.075,23.175 -18.981,23.175 -18.425,23.731 -18.425,23.825 -13.2,29.05 -13.106,29.05 -12.481,29.675 -11.982,29.675 -11.425,30.232 -11.425,30.825 -7.5,34.75 v1@-6.25,34.75 ; v3(-9.75,47) -9.65,46.9 -9.65,44.4 -6.25,41 v1@-6.25,34.75 ; v2(-3.25,49.75) 2.5,49.75 5.75,46.5 5.75,40.25 3.75,38.25 -2.75,38.25 ; v2(-1.75,39.5) -1.5,39.5 -2.75,38.25 ; v1@-6.25,34.75 -2.75,38.25
  other v1: 36.039,8.548 38.192,14.637 -33.625,26.125 -31.75,26.125 -30,26.125 -26.375,26.125 -24.5,26.125 -19,26.25 -15.625,26.25 -46.175,27.7 -45.075,27.7 -45.625,28.25 -46.175,28.8 -45.075,28.8 11.375,29.25 -15.625,29.375 -29.75,34.375 17,34.625 21.375,34.625 25.375,34.625 -18.923,34.8 -9.906,34.8 -8.103,34.8 -6.325,34.8 -2.7,34.8 -0.9,34.8 0.9,34.8 2.7,34.8 4.5,34.8 6.3,34.8 8.1,34.8 9.9,34.8 -31.5,37.625 -33.875,37.75
  other v3: -1,46 -5.25,46.75
  other v4: -48.562,28.437
GPIO47_1V8: Q3.G R10.2 U1.90 | length 45.6
  Top Layer w0.25: U1.90 -2.4,26.324 -1.968,25.892 18.295,25.892 18.637,25.55 27.156,25.55 v1(29.089,23.616) ; v1(31.365,26.137) 32.472,25.03 32.472,24.477 33.199,23.75 R10.2 35,24.5 36.625,24.5 37.25,25.125 Q3.G
  Bottom Layer w0.25: v1(29.089,23.616) 31.365,25.892 v1(31.365,26.137)
GPIO47_CTL_1V8: R9.1 R10.1 | length 1.8
  Top Layer w0.25: R10.1 R9.1
GPIO_2: U1.9
GPIO_3: U1.11
GPIO_6: U1.21
GPIO_7: U1.23
GPIO_8: U1.27
GPIO_9: U1.29
GPIO_10: U1.33
GPIO_11: U1.35
GPIO_12: U1.45
GPIO_13: U1.47
GPIO_14: U1.51
GPIO_15: U1.53
GPIO_16: U1.57
GPIO_17: U1.59
GPIO_18: U1.63
GPIO_19: U1.65
GPIO_20: U1.69
GPIO_21: U1.71
GPIO_22: U1.75
GPIO_23: U1.77
GPIO_24: U1.81
GPIO_25: U1.83
GPIO_26: U1.87
GPIO_27: U1.89
GPIO_32: U1.46
GPIO_33: U1.48
GPIO_34: U1.52
GPIO_35: U1.54
GPIO_36: U1.58
GPIO_37: U1.60
GPIO_38: U1.64
GPIO_39: U1.66
GPIO_40: U1.70
GPIO_41: U1.72
GPIO_42: U1.76
GPIO_43: U1.78
GPIO_44: U1.82
GPIO_45: U1.84
NetC3_1: C3.1 U2.9 | length 1.9
  Top Layer w0.254: C3.1 -46.375,25.025 U2.9
NetJ3_2: J3.2 U3.6 | length 8.6
  Top Layer w0.25: U3.6 39.25,12 39.625,11.625 39.625,8.967 40.792,7.8 42.227,7.8 42.575,7.452 42.575,7.439 42.914,7.1 J3.2
NetJ3_3: J3.3 U3.7 | length 8.7
  Top Layer w0.25: U3.7 39.625,12.5 40.125,12 40.125,9.103 40.978,8.25 42.414,8.25 42.914,7.75 J3.3
NetJP1_D+: JP1.D+ U3.9 | length 25.3
  Top Layer w0.25: v1(36.875,15.625) 36.875,14.5 37.475,13.9 37.475,13.803 37.753,13.525 38.45,13.525 U3.9 ; JP1.D+ v1(42.25,32)
  Bottom Layer w0.25: v1(36.875,15.625) 36.875,28.375 40.5,32 v1(42.25,32)
NetJP1_D-: JP1.D- U3.8 | length 25.9
  Top Layer w0.25: v1(36.125,15) 36.425,14.7 36.425,14.136 37.536,13.025 38.45,13.025 U3.8 ; JP1.D- 42.234,29.984 v1(42.25,30)
  Bottom Layer w0.25: v1(36.125,15) 37.375,15 37.5,15.125 37.5,28.125 39.375,30 v1(42.25,30)
NetL1_0: L1.0 U2.1
NetL2_0: L2.0 U4.2 | length 4.4
  Top Layer w0.25: -4.05,43.75 U4.2
  Top Layer w0.5: L2.0 -6.25,43.75 -4.25,43.75
NetL3_1: L3.1 U4.8 | length 3.4
  Top Layer w0.25: U4.8 -2.7,48.8
  Top Layer w0.5: -0.75,49 -0.45,48.7 L3.1 L3.1@1.25,48.95
NetLED1_A: LED1.A R7.2 | length 2.3
  Top Layer w0.25: R7.2 36.65,21.5 LED1.A
NetLED1_K: LED1.K Q2.S Q3.D | length 8.3
  Top Layer w0.25: Q2.S 34.5,18.125 36.275,19.9 LED1.K 38.125,21.275 38.125,22.5 36.975,23.65 Q3.D
NetP1_2: P1.2 Q2.G R8.1 | length 6
  Top Layer w0.25: Q2.G 37.65,17.85 R8.1 40.21,17.5 P1.2
NetQ1_D: Q1.D R6.1 U3.2 | length 13.9
  Top Layer w0.25: U3.2 35,13.5 35.625,12.875 35.625,12 35.25,11.625 35.25,3.5
  Top Layer w0.5: R6.1@34.375,3.5 35.25,3.5 Q1.D@36.875,3.5
NetR1_2: R1.2 U2.4 | length 2.5
  Top Layer w0.254: R1.2 -47.775,31.15 U2.4
USB_DM: U1.167 U3.4 | length 73.4
  Top Layer w0.25: v1(-25.875,30.625) -25.502,30.752 U1.167 ; v1(-19.375,24.125) -19.171,24.331 16.531,24.469 28.5,12.5 U3.4
  Bottom Layer w0.25: v1(-25.875,30.625) v1(-19.375,24.125)
USB_DP: U1.165 U3.3 | length 71.5
  Top Layer w0.25: U1.165 -24.918,30.918 v1(-24.5,30.5) ; v1(-19,25.125) 16.625,25.125 28.75,13 U3.3
  Bottom Layer w0.25: v1(-24.5,30.5) -19.125,25.125 v1(-19,25.125)
VBUSA: C9.1 C10.1 JP1.VBUS R12.2 | length 24.3
  Top Layer w0.5: JP1.VBUS 42.995,27.495 47.375,31.875 C9.1 C10.1 43.775,40.4 R12.2
VBUSB: J3.1 P1.1 Q1.G R11.1 | length 22.3
  Top Layer w0.25: J3.1@43.05,6.45 J3.1
  Top Layer w0.5: R11.1 37.875,7.25 ; Q1.G 37.375,5.375 37.875,5.875 ; v1(37.875,10) 37.875,7.25 ; 43.125,6.1 43.525,6.1 43.525,4.65 42.725,3.85 39.9,3.85 37.875,5.875 ; 37.875,5.875 37.875,7.25
  Bottom Layer w0.5: v1(37.875,10) 41,13.125 P1.1
VIN: C1.1 J4.1 U2.10 U2.11 U2.13 | length 20.1
  Top Layer w0.25: U2.10 U2.11@-45.375,26.75 ; U2.11@-44.875,26.75 U2.13
  Top Layer w1: C1.1 -43.8,22.925 -43.8,8.75 J4.1
pads on no net: C1.0 C2.0 C3.0 C4.0 C5.0 C6.0 C7.0 C8.0 C9.0 C10.0 cam1.M3 cam2.M3 J1. J2. J3.0 J3.4 LED1.0 R1.0 R12.0 U1.1 U1.4 U1.6 U1.8 U1.10 U1.12 U1.14 U1.16 U1.18 U1.20 U1.22 U1.24 U1.39 U1.40 U1.41 U1.42 U1.88 U1.93 U1.94 U1.95 U1.96 U1.99 U1.100 U1.101 U1.102 U1.105 U1.106 U1.107 U1.108 U1.111 U1.112 U1.113 U1.114 U1.117 U1.118 U1.119 U1.120 U1.123 U1.124 U1.125 U1.126 U1.128 U1.129 U1.130 U1.131 U1.132 U1.135 U1.137 U1.141 U1.143 U1.154 U1.156 U1.158 U1.160 U1.162 U1.166 U1.168 U1.171 U1.172 U1.173 U1.174 U1.175 U1.176 U1.177 U1.178 U1.179 U1.180 U1.M1 U1.M2 U4.5 U4.11

## Polygon pours and split planes (outlines as drawn)
GND on Bottom Layer "GND" (solid, remove dead copper, pour order 0): -50,55 -50,0 50,0 50,55

## Keep-outs
Keep-Out Layer:
  the board outline again, w0.25

## Other copper
Top Layer:
  region net 5V: -41,29.75 -41,36.625 -42.6,36.625 -42.6,29.75
  region net NetL1_0: -44.75,29.375 -44.75,34.25 -46,34.25 -46,29.375
  region net GND: -42.375,28.375 -42.375,29 -44.875,29 -44.875,28.375
  region net GND: -41,21.875 -41,29.125 -42.625,29.125 -42.625,21.875
  region net VIN: -44.218,22.755 -44.218,27.125 -45.5,27.125 -45.5,22.755
  region net GND: -0.5,38.75 -0.5,43 -3.5,43 -3.5,38.75
  region net GND: -2,50 -2,54 -4.75,54 -4.75,50
  region net GND: -46.875,27.25 -46.875,29.125 -47.875,29.125 -49.25,27.75 -49.25,24.125 -47.75,24.125 -47.75,26.375
  region net GND: -10.5,46.5 -10.5,47.5 -5.75,47.5 -5.75,47.25 -1.5,47.25 -0.75,46.5 5,46.5 5,45.75 -0.25,45.75 -0.25,45 -1,45 -1.75,45.75 -4.75,45.75 -5.5,46.5
  region net 1V8: -5,49 -5,49.5 -5.5,50 -5.5,54 -10.5,54 -10.5,48 -6,48
  region net 3V3: -0.5,44.25 -0.5,43.75 0,43.25 0,38.75 5,38.75 5,45.25 0.5,45.25
  region net GND: -3.6,43.625 -3.625,43.625 -3.5,40.5 -2.75,40.5 -3.075,42.95
  region net GND: -3.261,49.114 -2.172,50.203 -4,52.35 -4,50.037
  region net 5V: -4.25,43 -7.5,43 -9,44.5 -8,46.25 -10.5,46.25 -10.5,38.75 -4.25,38.75
  region net 5V: -0.9,50.25 3.05,50.25 3.6,49.7 3.6,46.75 5,46.75 5,54 -0.9,54
  region net 1V8: -3.567,48.831 -3.567,49.016 -4.182,49.631 -5.658,49.631 -5.72,49.569 -5.596,49.446 -5.596,48.831
  region net NetL3_1: -2.695,48.789 -2.583,48.8 -2.214,48.893 0.123,48.893 0.123,49.631 -2.03,49.63 -2.751,48.909 ccw(c-2.702,48.859)

## Silkscreen, mask and mechanical layers (free items; w line width, h text height)
Bottom Overlay:
  circle w6: c-41,34.5 r3
  circle w6: c23,34.5 r3
  lines w3: -30.03,9.78 ccw(c-0.222,66.415) 30,10
  text "CAMERA 2" at -25,50.25 h3
  text "CAMERA 1" at 39,50.25 h3
Mechanical 16:
  drawing of 1874 lines, arcs and shapes, not listed
  text "1" at -98.754,120.611 h1.78
  text "2" at -26.11,120.611 h1.78
  text "3" at 47.042,120.611 h1.78
  text "4" at 119.94,120.611 h1.78
  text "A" at -133.095,97.599 h1.78
  text "A" at 153.925,97.599 h1.78
  text "B" at -133.095,49.542 h1.78
  text "B" at 153.925,49.542 h1.78
  text "C" at -133.095,1.028 h1.78
  text "C" at 153.925,1.028 h1.78
  text "ENGINEER:" at 38.99,-35.98 h1.14
  text "TITLE:" at 77.09,-35.98 h1.14
  text "PCB DESIGNER:" at 38.99,-43.473 h1.14
  text "D" at -133.095,-46.978 h1.78
  text "D" at 153.925,-46.978 h1.78
  text "DATE:" at 38.99,-51.22 h1.14
  text "PART NO.:" at 77.09,-51.22 h1.14
  text "REV:" at 130.43,-51.22 h1.14
  text "Altium Limited" at 5.97,-53.76 h1.78
  text ".PRINT_DATE" at 40.26,-54.268 h1.78
  text "12a Rodborough Rd" at 5.97,-56.3 h1.78
  text "Frenchs Forest" at 5.97,-58.84 h1.78
  text "FILE NAME:" at 38.99,-58.84 h1.14
  text "DWG NO:" at 77.09,-58.84 h1.14
  text "SCALE:" at 130.43,-58.84 h1.14
  text "NSW 2086" at 5.97,-61.38 h1.78
  text ".PCB_FILE_NAME_NO_PATH" at 40.26,-61.888 h1.78
  text "1" at -98.754,-67.349 h1.78
  text "2" at -26.11,-67.349 h1.78
  text "3" at 47.042,-67.349 h1.78
  text "4" at 119.94,-67.349 h1.78

## Dimensions
-50,55 to 50,55 on Mechanical 1
-50,55 to -50,0 on Mechanical 1